# Altium PCB PCB1 - BU.PcbDoc (part 1 of 2) (continued)
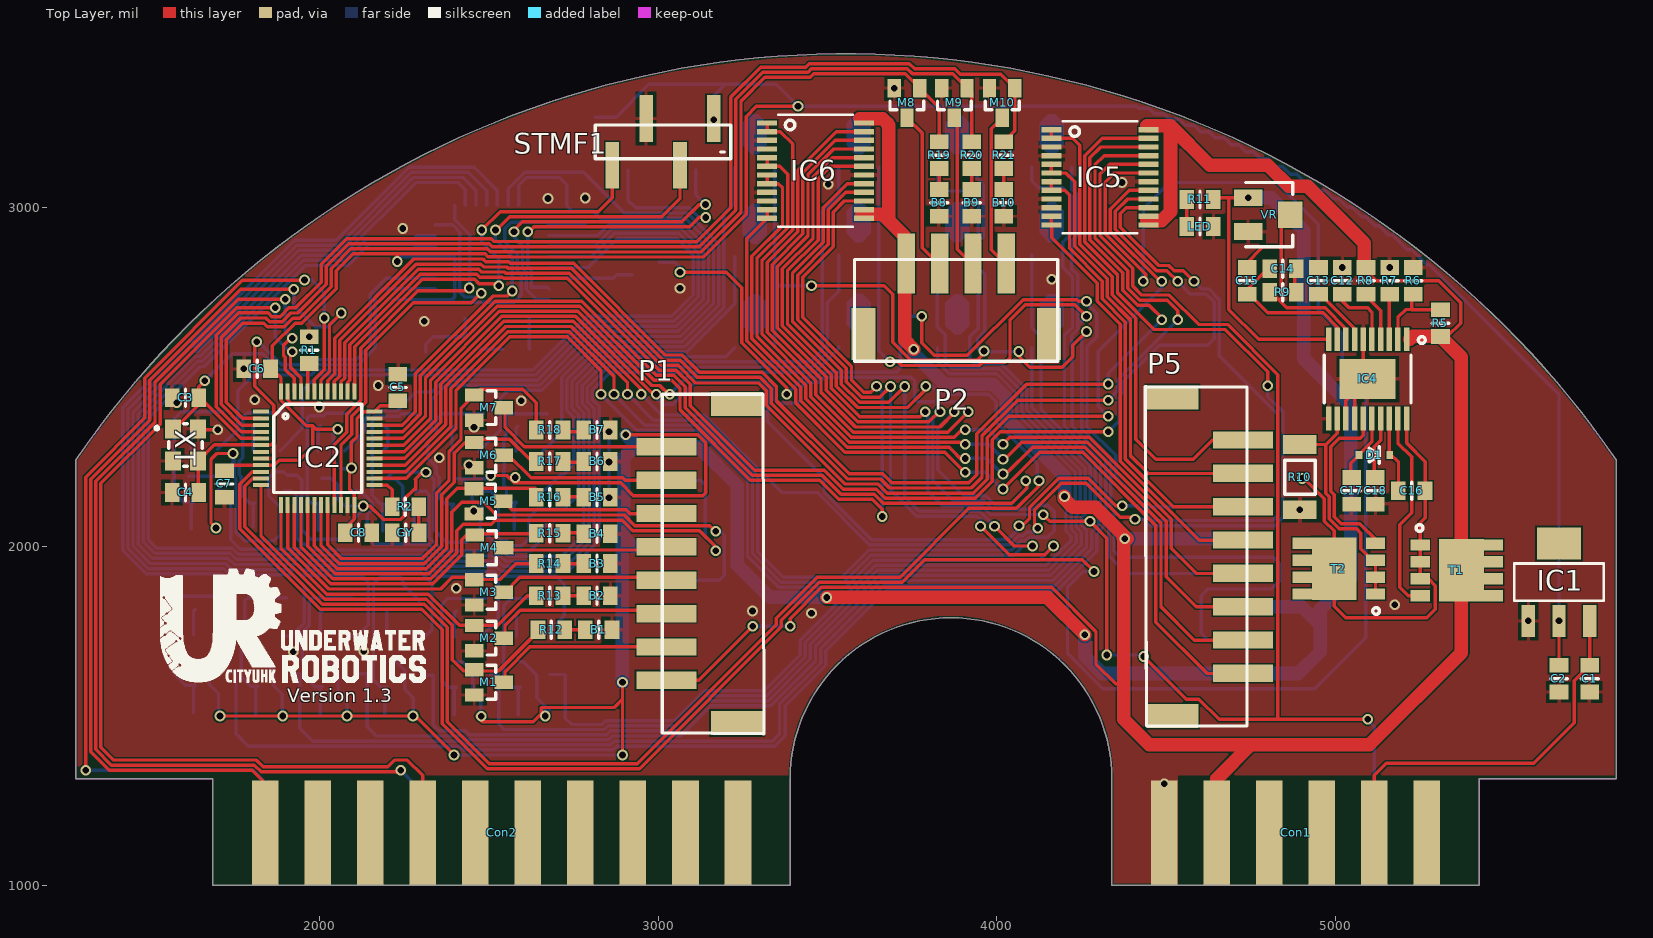
[diagram p0: Top Layer view]
## Footprints (in the part's own frame and the unit in brackets; to place one, negate y for a bottom-side part, rotate by r counter-clockwise, add the part's x,y. Pads: shape width x height; smd on the part's side, far side on the other; paste and mask are expansions set on the pad) (continued)
SOT89-150P410X160-3L [mm] "SOT89, 3-Leads, Body 4.50x2.45mm, Pitch 1.50mm, Lead Span 4.1mm, IPC High Density"
  rect 1.2x0.5 smd: 1(-1.7,1.5) 3(-1.7,-1.5)
  rect 1.6x0.5 smd: 2(-1.5,0)
  Top Layer region: -0.7,0.25 -0.05,0.9 1.65,0.9 2.3,0.25 2.3,-0.25 1.65,-0.9 -0.05,-0.9 -0.7,-0.25
  silkscreen extent -1.95,-2.3 1.42,2.43, body extent -1.18,-2.3 1.42,2.3, height 1.6
SOT-223 [mm]
  rect 2.4x1 smd: 1(-2.9,2.3) 2(-2.9,0) 3(-2.9,-2.3)
  rect 2.4x3.3 smd: 4(2.9,0)
  silkscreen extent -1.4,-3.35 1.4,3.35, body extent -3.81,-3.25 3.19,3.25, height 1.59
SSOP24 [mm]
  rect 1.5x0.4 smd: 1(-3.625,3.575) 2(-3.625,2.925) 3(-3.625,2.275) 4(-3.625,1.625) 5(-3.625,0.975) 6(-3.625,0.325) 7(-3.625,-0.325) 8(-3.625,-0.975) 9(-3.625,-1.625) 10(-3.625,-2.275) 11(-3.625,-2.925) 12(-3.625,-3.575) 13(3.625,-3.575) 14(3.625,-2.925) 15(3.625,-2.275) 16(3.625,-1.625) 17(3.625,-0.975) 18(3.625,-0.325) 19(3.625,0.325) 20(3.625,0.975) 21(3.625,1.625) 22(3.625,2.275) 23(3.625,2.925) 24(3.625,3.575)
  silkscreen extent -2.8,-4.2 2.8,4.2, body extent -3.95,-4.31 3.95,4.31, height 1.91
TPH2R608NH [mm]
  rect 0.85x1.45 smd: 1(-1.905,2.75) 1(-0.635,2.75) 1(0.635,2.75) 1(1.905,2.75) 2(1.905,-2.75) 3(-1.905,-2.75) 3(-0.635,-2.75) 3(0.635,-2.75)
  rect 4.7x3.35 smd: 1(0,0.35)
  silkscreen extent -3.43,-3.05 -2.92,-2.54, body extent -2.45,-3 2.45,3, height 1
XH2.54-4pin_SMD [mm]
  rect 1.3x4.5 smd: 1(-3.73,2.25) 2(-1.23,2.25) 3(1.27,2.25) 4(3.77,2.25)
  rect 1.8x3.9 smd: 7(-6.93,-3.05) 7(6.97,-3.05)
  silkscreen extent -7.62,-5.08 7.62,2.54
XH2.54-8pin_SMD [mm]
  rect 1.8x3.9 smd: 0(-11.95,-3.05) 0(11.95,-3.05)
  rect 1.3x4.5 smd: 1(-8.75,2.25) 2(-6.25,2.25) 3(-3.75,2.25) 4(-1.25,2.25) 5(1.25,2.25) 6(3.75,2.25) 7(6.25,2.25) 8(8.75,2.25)
  silkscreen extent -12.75,-5.08 12.7,2.54

## Part data
C1 C2 C9 C10 C11 C12 C13 C14 C15 C16 C17 C18: library part Cap
C3 C4 C5 C6 C7 C8: library part Capacitor
C19: library part Cap-pol
D1: library part Diode
IC3: "ARM Cortex-M0 32-bit MCU, 32 KB Flash, 4 KB Internal RAM, 26 I/Os, 32-pin LQFP, -40 to 85 degC, Tray", I/Os (High Current)=26, Operating Frequency(F) (Processor speed) (MHz)=48, Supplier Part Number 1=497-14046-ND, Supply Voltage(Vcc) min (V)=2.4, ComponentLink1Description="Manufacturer URL", ComponentLink1URL=http://www.st.com/web/en/home.html, ComponentLink2Description=Datasheet, ComponentLink2URL=http://www.st.com/st-web-ui/static/active/en/resource/technical/document/datasheet/DM00088500.pdf, ComponentLink3Description="Package Specification", ComponentLink3URL=http://www.st.com/st-web-ui/static/active/en/resource/technical/document/datasheet/DM00088500.pdf, Core="ARM Cortex-M0", DatasheetVersion="Rev. 1", FLASH Size (Prog) (kB)=32, Internal RAM Size (kB)=4, Mounting Technology="Surface Mount", PackageDescription="32-Pin Low Profile Quad Flat Package, 7 x 7 mm Body, 0.8 mm Pitch", PackageReference=LQFP32, PackageVersion="Rev. 1, 07/2013", Packing=Tray, PartNumber=STM32F030K6T6, Supplier 1=Digi-Key, Supplier 2=Newark, Supplier 3=Mouser, Supplier Part Number 2=19X6194, Supplier Part Number 3=511-STM32F030K6T6
IC4: "Buck Controller"
LR1 LR2 LR3 LR4 LR5 LR6 LR7 LR8 LR9 LR10 LR11 LR12 R1 R2 R3 R4 R5 R6 R7 R8 R9 R10 R11 R12 R13 R14 R15 R16 R17 R18 R19 R20 R21 R22 R23 R24 R25 R26 R27 R28 R29 R30 R31 R32 R33: library part Resistor
ML1 ML2 ML3 ML4 ML5 ML6 ML7 ML8 ML9 ML10 ML11 ML12: "NPN"
T1 T2: library part MOSFET-N
VR: library part Potentiometer
XT: library part "Passive Crystal"

## Via types
v1: diameter 31.5, hole 19.68, Top Layer to Bottom Layer, tented both sides, 150 vias

## Nets (pads, with @x,y where several pads share a name; then routed paths per layer and width w, separated by ;. In a path a pad name is that pad's centre, name@x,y a point inside that pad or via, vN(x,y) a via of type N, cw(c..) or ccw(c..) an arc to the next point about the centre after c; other vN are vias at no path point)
1: C19.1 IC4.10 L1.2 LR1.2 LR2.2 LR3.2 LR4.2 LR5.2 LR6.2 LR7.2 LR8.2 LR9.2 LR10.2 LR11.2 LR12.2 ML13.2 ML14.2 ML15.2 ML16.2 ML17.2 ML18.2 ML19.2 ML20.2 ML21.2 ML22.2 ML23.2 ML24.2 P6.1 P6.3 P7.1 P7.4 R11.2 VR.1 | length 13445.3
  Top Layer w10: v1(1695,2055) 1680.04,2069.96 1680.04,2257.26 1697.78,2275 v1(1745,2275) ; v1(1706.6,1500) v1(1891.6,1500) v1(2081.6,1500) v1(2276.6,1500) ; v1(2130,2120) 2149.28,2120 2189.05,2080.24 2240.64,2080.24 2250,2089.6 2250,2140 2280,2170 2285,2170 2285,2196.37 2284.34,2197.03 2285,2197.69 2283.39,2199.3 2309.09,2225 2314.09,2220 v1(2315,2220) ; v1@2279.67,1503.07 v1(2397.74,1385) ; v1@2465,1500 2481.66,1483.34 2632.13,1483.34 2655,1506.21 2655,1525 2870,1525 2895,1550 ; v1(2506.18,2210) 2553.14,2210 2575,2188.14 2889.58,2188.14 2926.98,2150.74 3132.16,2150.74 3141.09,2159.68 3141.09,2306.13 3117.14,2330.08 2905.08,2330.08 v1(2905,2330) ; v1(2895,1385) 2895,1550 ; v1(2895,1600) 2895,1550 ; R11.2@4639.37,3025 4644.37,3030 4685,3030 ; v1(4742.65,3030) 4685,3030 ; IC4.10@4979.84,2611.93 4773.07,2611.93 4685,2700 4685,3030
  Top Layer w40: v1(3498.6,1850) 4150,1850 v1(4260,1740)
  Bottom Layer w10: ML19.2@1614.9,2207.4 1704.31,2207.4 1745,2248.1 v1(1745,2275) 1749.8,2275 1748.53,2273.73 1748.53,2205.58 1754.07,2200.04 1754.07,2042.58 1779.9,2016.75 1866,2016.75 1884.04,2034.79 LR8.2@1884.04,2056.37 1884.04,2116.1 1850.31,2149.83 1850.31,2203.13 ; ML22.2@1629.45,1666.07 1654.38,1666.07 1675,1645.45 1675,1593.81 1702.28,1566.53 LR10.2@1702.28,1509.53 ; ML20.2@1809.19,2203.13 1850.31,2203.13 ; ML23.2@1817.8,1662.61 1834.52,1662.61 1865.26,1631.87 1865.26,1589.74 1890.64,1564.36 LR11.2@1890.64,1506.06 ; ML21.2@2006.69,2202.4 2034.36,2202.4 2053.26,2183.5 2053.26,2141.04 2074.3,2120 v1(2130,2120) 2130,2109.92 LR9.2@2079.91,2059.83 2079.91,2035.81 2066.38,2022.27 1975.38,2022.27 1948.36,2049.29 1948.36,2195.77 1933.36,2210.76 1905.75,2210.76 1895,2221.51 1868.69,2221.51 1850.31,2203.13 ; ML24.2@2008.83,1661.55 2025.35,1661.55 2055.02,1631.88 2055.02,1577.49 2081.67,1550.83 LR12.2@2081.67,1505 ; ML16.2@2208.29,1660.05 2227.11,1660.05 2251.78,1635.38 2251.78,1579.68 2277.16,1554.31 LR4.2@2277.16,1503.5 ; LR1.2@2279.96,2055.45 2279.96,2100.31 2246.78,2133.48 2246.78,2177.69 2223.91,2200.57 ML13.2@2197.73,2200.57 2217.16,2220 v1(2315,2220) ; v1@2323.51,2214.25 2338.61,2199.15 2338.61,2049.71 2375.23,2013.09 2433.5,2013.09 LR2.2@2474.67,2054.26 ; v1(2397.74,1385) v1(2895,1385) ; ML14.2@2401.69,2200.57 ML14.2@2419.25,2200.57 ; ML17.2@2404.34,1660.05 2421.56,1660.05 2453.39,1628.22 2453.39,1575.13 2477.17,1551.35 LR5.2@2477.17,1503.51 ; v1(2506.18,2210) 2496.75,2200.57 ML14.2@2419.25,2200.57 ; ML18.2@2593.13,1660.05 2602.72,1660.05 2642.19,1620.58 2642.19,1554.31 2665.97,1530.53 LR6.2@2665.97,1503.5 LR6.2@2679.75,1517.28 ; LR3.2@2654.96,2055 LR3.2@2654.96,2051.64 ; LR3.2@2668.15,2064.83 LR3.2@2654.96,2051.64 ; ML14.2@2419.25,2200.57 2450.75,2169.07 2450.75,2139.34 2459.34,2130.75 2466.41,2130.75 2481.5,2115.67 2481.5,2094.33 2474.67,2087.51 LR2.2@2474.67,2054.26 ; LR2.2@2474.67,2054.26 2526.49,2002.44 2546.92,2002.44 2562.28,1987.09 2622.05,1987.09 2654.96,2020 LR3.2@2654.96,2051.64
  Bottom Layer w40: v1(2895,1600) 2895,2032.16 2899.36,2027.8 ; v1(2905,2330) 2930.31,2304.69 ; P7.4@3024.42,1999.21 2927.95,1999.21 2899.36,2027.8 ; v1(3498.6,1850) 3329.9,1850 3234.04,1945.87 3234.04,2181.45 3120.99,2294.49 P7.1@3024.42,2294.49 2940.51,2294.49 2930.31,2304.69 ; v1(4260,1740) 4260,1676.06 4310.55,1625.51 4890.51,1625.51 4955,1690 C19.1@4955,1767.87 ; P6.3@4728.58,1822.36 4900.51,1822.36 C19.1@4955,1767.87 ; v1(4742.65,3030) 4810,3030 4906.03,2933.97 4906.03,2555.24 5045,2416.26 5045,1905 4955,1815 C19.1@4955,1767.87 ; 2899.36,2027.8 2899.36,2263.54 2930.31,2294.49 2930.31,2304.69
  other v1: 2477.62,1498.91 2666.6,1500 2578.04,2204.37
2: CC1.1 CC2.1 CC3.1 CC4.1 CC5.1 CC6.1 P6.2 | length 4065.6
  Top Layer w10: v1(3452.9,2769.96) 3667.31,2769.96 3692.56,2744.71 3692.56,2603.13 3745.85,2549.84 3942.2,2549.84 3962.28,2569.93 v1(3962.28,2577.46) ; v1(4065,2575.94) 4065,2562.47 4097.99,2529.49 4193.24,2529.49 4224.38,2560.62 4224.38,2594.38 v1(4265,2635)
  Bottom Layer w10: CC1.1@3344.94,2587.83 3344.94,2765 ; CC3.1@3344.94,3119.8 3344.94,2765 ; v1(3452.9,2769.96) 3349.9,2769.96 3344.94,2765 ; CC4.1@3943.11,3119.8 3942.16,3118.86 3942.16,3087.84 3960,3070 3960,2915.36 3942.16,2897.53 CC5.1@3942.16,2860.04 3942.16,2827.09 3965,2804.25 3965,2635.53 3943.11,2613.64 CC6.1@3943.11,2587.83 3955,2575.94 v1(4065,2575.94) ; v1(4265,2635) 4265,2628.1 4251.36,2614.46 4251.36,2347.99 4336.33,2263.02 4336.33,2114.14 4346.17,2104.3 4346.17,1988.2 4365.16,1969.21 4815.79,1969.21 4835,1950 4835,1898.89 4811.11,1875 4623.37,1875 4603.47,1855.1 4603.47,1744.78 4624.31,1723.94 P6.2@4728.58,1723.94
3.3V: C2.2 C5.2 C6.1 C7.2 C8.2 C9.2 C10.2 C11.2 IC1.2 IC2.9 IC2.24 IC2.36 IC2.48 IC3.1 IC3.5 IC3.17 STMF0.1 STMF1.1 | length 8753.9
  Top Layer w10: C7.2@1720,2224.37 C7.2@1720,2225 ; C7.2@1745,2239.37 1746.42,2240.79 IC2.9@1827.68,2240.79 1867.32,2240.79 1881.54,2255 1941.37,2255 1980.47,2294.1 1980.47,2356.82 ; v1(2054.42,2347.04) 1991.42,2347.04 1990.83,2346.46 1980.47,2356.82 ; C8.2@2070.63,2047.62 2103.27,2080.25 IC2.24@2103.27,2122.68 2103.27,2155.32 2089.25,2169.33 2089.25,2226.25 v1(2095,2232) 2094.65,2232.35 2094.65,2308.44 2111.32,2325.11 2111.32,2378.49 2131.1,2398.27 IC2.36@2162.32,2398.27 2179.68,2415.63 C5.2@2230,2415.63 ; v1(2230,2841.92) 2230,2864.25 ; v1(3413.48,3300) 3290.32,3300 3260,3269.68 3260,2981.36 3133.64,2855 2566.36,2855 2565.62,2855.75 2497.94,2855.75 2489.44,2864.25 2230,2864.25 ; C2.2@5660,1649.37 v1(5660,1780.83) ; 1980.47,2356.82 1961.72,2356.82 1886.73,2431.81 IC2.48@1886.73,2457.32 1886.73,2499.41 1861.14,2520.73 1861.14,2592.55 1928.38,2659.8 1948.38,2659.8 2050.27,2761.69 2050.27,2814.87 2099.66,2864.25 2230,2864.25
  Bottom Layer w10: v1(2054.42,2347.04) 2054.42,2345.87 2041.48,2332.94 2041.48,2252.83 2064.32,2230 v1@2095,2230 ; C11.2@2219.45,2729.76 IC3.1@2342.68,2729.76 2392.74,2729.76 ; C9.2@2241.33,2855.75 C9.2@2246.35,2855.75 ; C9.2@2251.23,2855.75 IC3.5@2342.68,2855.75 2400,2855.75 2400,2737.02 2392.74,2729.76 ; C10.2@2785,2950.63 2677.72,2950.63 IC3.17@2677.32,2950.24 2677.32,2957 2639.52,2957 2636.89,2959.63 2635.21,2957.95 2566.54,2957.95 2547.94,2939.35 2547.94,2900.31 2584.74,2863.5 2584.74,2815.31 2595.75,2804.31 2595.75,2742.26 2575.54,2722.05 2400.46,2722.05 2392.74,2729.76 ; STMF0.1@2814.59,3267.99 2876.09,3267.99 2973.1,3365 3198.47,3365 ; v1(3165,3260) 3165,3331.53 3198.47,3365 ; v1(3413.48,3300) 4413.46,3299.97 4419.35,3294.08 4448.52,3294.08 4464.51,3278.09 4493.68,3278.09 4509.67,3262.1 4538.84,3262.1 4557.18,3243.76 4583.11,3243.76 4601.44,3225.43 4627.37,3225.43 4645.7,3207.09 4671.63,3207.09 4692.26,3186.47 4714.88,3186.47 4735.5,3165.84 4758.12,3165.84 4778.74,3145.22 4801.36,3145.22 4824.22,3122.36 4843.47,3122.36 4866.33,3099.49 4885.57,3099.49 4908.43,3076.63 4927.67,3076.63 4952.71,3051.6 4968.52,3051.6 4993.56,3026.57 5009.37,3026.57 5034.41,3001.54 5050.22,3001.54 5077.36,2974.4 5089.71,2974.4 5116.84,2947.26 5129.19,2947.26 5156.33,2920.13 5168.67,2920.13 5212.42,2876.38 5225.69,2876.38 5269.44,2832.63 5276.67,2832.63 5660,2449.3 v1(5660,1780.83) ; v1(3413.48,3300) 3348.48,3365 3198.47,3365
4: CC7.1 CC8.1 CC9.1 CC10.1 CC11.1 CC12.1 P6.4 | length 3004.7
  Top Layer w10: v1(3685,2545.59) 3685,2545 3687.88,2547.88 3706.33,2547.88 3719.37,2534.84 3948.41,2534.84 3958.06,2544.49 4025.8,2544.49 4039.25,2557.94 4039.25,2669.63 4084.11,2714.49 4230.51,2714.49 v1(4265,2680)
  Bottom Layer w10: CC9.1@3651.69,3119.8 CC8.1@3651.69,2860.04 CC7.1@3651.69,2589.8 3651.69,2578.9 v1(3685,2545.59) ; CC10.1@4221.69,3119.8 4221.69,3055 4237.43,3039.27 4237.43,2919.76 4221.69,2904.02 CC11.1@4221.69,2860.04 4221.69,2819.52 4238.85,2802.37 4238.85,2653.85 ; v1(4265,2680) 4239.25,2654.25 4239.25,2642.21 4221.69,2624.65 CC12.1@4221.69,2587.83 4223,2586.53 4223,2355.14 4321.33,2256.81 4321.33,2107.93 4331.17,2098.09 4331.17,1973.05 4383.44,1920.79 P6.4@4728.58,1920.79
5: Con1.5 IC4.1 IC5.13 IC5.14 IC5.24 IC6.13 IC6.14 IC6.24 P1.1 P2.1 P6.5 R5.2 R8.2 T1.1 | length 8576.4
  Top Layer w10: P1.1@3001.42,1605.51 3120.51,1605.51 v1(3280,1765) ; v1(3390,1765) 3390,1787.57 3482.43,1880 4162.43,1880 4293.01,1749.42 4293.01,1653.42 4351.43,1595 4375,1595 ; R8.2@5085,2834.37 5085,2820 5120,2785 5305,2785 5370,2720 5370,2660 5330.63,2620.63 R5.2@5310,2620.63 ; IC4.1@5210.16,2611.93 5220,2611.93
  Top Layer w40: 3595,3263.13 3663.19,3263.13 3681.69,3244.63 3681.69,2962.16 ; 3602.16,2981.97 3661.88,2981.97 3681.69,2962.16 ; v1(3755,2583.12) 3728.15,2609.97 3728.15,2915.7 3681.69,2962.16 ; v1(4199.93,2148.12) 4199.93,2141.86 4223.94,2115.75 4292.3,2115.75 4375,2033.05 v1@4375,2022.94 ; v1@4373.18,2022.94 v1@4375,2022.94 ; v1@4375,2033.44 4385.5,2022.94 v1(4378,2022.94) v1@4375,2022.94 ; 4443.13,2962.16 4486.65,2962.16 4512.99,2988.5 4512.99,3242.11 4629,3126.1 4800.29,3126.1 4862.76,3063.64 4917.66,3063.64 5085.12,2896.18 5085.12,2829.25 R8.2@5090,2824.37 ; 4443.13,3242.11 4510,3242.11 ; Con1.5@4650.01,1155.48 4650.01,1315.01 4750,1415 ; 5220,2611.93 5228.7,2620.63 R5.2@5310,2620.63 5372.05,2558.58 T1.1@5372.05,1930 5372.05,1687.05 5100,1415 4750,1415 ; v1@4375,2022.94 4375,1595 4375,1490 4450,1415 4750,1415
  Bottom Layer w10: v1(3280,1765) v1(3390,1765)
  Bottom Layer w40: v1(3755,2583.12) 3755,2570.25 3845.25,2480 3988.2,2480 4028.58,2439.62 4028.58,2379.85 4201.32,2207.11 4201.32,2147.58 v1@4199.84,2146.1 ; v1(4378,2022.94) 4724.86,2022.94 P6.5@4728.58,2019.21
5V: C1.2 Con1.2 IC1.3 IC5.20 IC6.20 | length 6798.6
  Top Layer w10: IC6.20@3607.72,3148.39 3514.12,3148.39 3457.66,3091.93 3457.66,2910.92 3367.15,2820.41 3367.15,2651.84 3511.13,2507.86 3511.13,2467.59 3595.42,2383.3 3773.77,2383.3 v1(3788.75,2398.27) ; v1(4137.41,2093.98) 4156.38,2075 v1(4275.43,2075) 4325,2025.43 v1(4325,1680) ; v1(4434.49,1675.51) 4560,1550 4596.78,1550 4656.66,1490.12 4829.88,1490.12 ; IC5.20@4447.72,3128.77 4333.05,3128.77 4305,3100.72 4305,2918.02 4401.58,2821.44 4401.58,2769.49 4428.27,2742.8 4509.52,2742.8 4596.36,2655.96 4681.48,2655.96 4830,2507.44 4830,1490.12 ; v1(5095.12,1490.12) 4830,1490.12 ; Con1.2@5114.88,1155 5114.88,1324.88 5150,1360 5585,1360 5705,1480 5705,1603.82 C1.2@5750.55,1649.37 IC1.3@5750.55,1780.83 ; 4829.88,1490.12 4830,1490.12 ; 4829.88,1490.12 4830,1490 4830,1490.12
  Bottom Layer w10: v1(3788.75,2398.27) 3796.25,2390.76 3796.25,2164.23 3840.49,2120 3955.29,2120 3980.29,2095 4136.38,2095 v1(4137.41,2093.98) ; v1(4325,1680) 4430,1680 v1(4434.49,1675.51) ; v1(5095.12,1490.12) 5114.88,1470.35 Con1.2@5114.88,1155
6: P6.6 T3.3 | length 2873.9
  Top Layer w10: v1(3065,2810) 3201.5,2810 3247.15,2764.35 3247.15,2602.13 3380,2469.28 v1(3380,2450) ; v1(3778.55,2680) 3778.55,2602 3815.7,2564.84 3913.25,2564.84 4077.89,2729.49 4236.73,2729.49 4241.57,2724.64 v1(4265,2724.64)
  Bottom Layer w10: T3.3@3003.31,2840 3050,2840 3050,2839.25 3065,2824.25 v1(3065,2810) ; v1(3380,2450) 3379.63,2450 3430,2500.37 3469.21,2500.37 3483.84,2515 3704.96,2515 3715,2525.04 3715,2667.68 3727.32,2680 v1(3778.55,2680) ; v1(4265,2724.64) 4265,2720 4295.25,2689.75 4295.25,2618.92 4266.36,2590.03 4266.36,2560.74 4266.36,2354.21 4351.33,2269.23 4351.33,2205.59 4369.31,2187.61 4439.29,2117.64 P6.6@4728.58,2117.64
GND: B1.2 B2.2 B3.2 B4.2 B5.2 B6.2 B7.2 B8.2 B9.2 B10.2 C1.1 C2.1 C3.2 C4.2 C5.1 C6.2 C7.1 C8.1 C9.1 C10.1 C11.1 C12.1 C13.1 C17.1 C18.1 C19.2 CC1.2 CC2.2 CC3.2 CC4.2 CC5.2 CC6.2 CC7.2 CC8.2 CC10.2 CC11.2 CC12.2 Con1.6 GY1.2 GY.2 IC1.1 IC2.8 IC2.23 IC2.35 IC2.47 IC3.16 IC3.32 IC4.6 IC4.11 IC4.13 IC4.14 IC4.21 IC5.3 IC5.4 IC5.9 IC5.10 IC5.18 IC6.3 IC6.4 IC6.9 IC6.10 IC6.18 LED.2 M1.2 M2.2 M3.2 M4.2 M5.2 M6.2 M7.2 M8.2 M9.2 M10.2 ML1.2 ML2.2 ML3.2 ML4.2 ML5.2 ML6.2 ML7.2 ML8.2 ML9.2 ML10.2 ML11.2 ML12.2 P7.3 P7.6 R1.2 R4.2 R6.1 R7.1 R10.1 STMF0.3 STMF1.3 T3.2 VR.3 XT.2 | length 682.2
  Top Layer w10: XT.2@1642.4,2347.24 1644.65,2345 v1(1700,2345) ; IC2.47@1906.42,2457.32 1906.42,2433.34 1916.05,2423.7 1996.3,2423.7 2000,2420 v1(2000,2412.32) ; IC4.13@5031.02,2378.07 5031.02,2431.03 IC4.21@5056.62,2456.62 ; IC4.14@5056.62,2378.07 IC4.21@5056.62,2456.62 ; IC4.21@5070,2470 IC4.21@5056.62,2456.62 ; IC4.6@5082.21,2611.93 5082.21,2507.79 IC4.21@5095,2495
  Bottom Layer w10: v1@2855.2,2155 v1(2855.2,2339.02)
  other v1: 4494.41,1300 1922.86,1689.5 2130.82,1690.76 5569.45,1780.83 3452.9,1803.73 3279.04,1810.16 5175,1828.79 2404.34,1877.4 2455.75,2105 4895,2108.54 2855.2,2144.8 2441.9,2241.15 2855.2,2250 2354.57,2262.93 2456.8,2352.05 1579.13,2425 2596.27,2430.67 1808.98,2433.34 2174.06,2475.69 1777.33,2525 1970,2619.37 2309.39,2665.37 3065,2762.75 4162.64,2789.5 5020,2824.37 5160,2824.37 2246.35,2939.37 2675,3027.91 2785,3029.37 3502.66,3070 4370,3075 3697.6,3353.31
I2C_C: Con2.14 IC2.45 | length 3031.4
  Top Layer w10: v1(1870,2705) 1755.81,2705 1529.84,2479.03 1529.84,2361.36 1355,2186.52 1355,1407.43 1392.43,1370 1814.59,1370 1834.59,1350 2201.88,1350 2221.88,1370 2260,1370 2305.35,1324.65 Con2.14@2305.35,1155 ; v1@1914.87,2570 1914.87,2530.13 1945.79,2499.21 IC2.45@1945.79,2457.32
  Bottom Layer w10: v1(1870,2705) 1870,2617.76 1912.76,2575 v1@1922.32,2575
  other v1: 1920,2575
I2C_D: Con2.13 IC2.46 | length 3092.9
  Top Layer w10: v1(1899.23,2730.55) 1899.03,2730.75 1760.35,2730.75 1514.84,2485.25 1514.84,2367.57 1340,2192.73 1340,1401.21 1386.21,1355 1808.38,1355 1828.38,1335 2235,1335 v1(2240,1340) ; v1@1914.87,2615 1894.25,2594.38 1894.25,2564.33 1899.87,2558.72 1899.87,2522.91 1926.1,2496.67 IC2.46@1926.1,2457.32
  Bottom Layer w10: v1(1899.23,2730.55) 1899.23,2635.77 v1@1914.87,2620.13 ; v1@1914.87,2615 v1@1914.87,2620.13 ; v1(1920,2615) v1@1914.87,2620.13 ; v1(2240,1340) 2305.35,1274.65 Con2.13@2305.35,1155
LED_A_1: ML1.1 R22.1 | length 84.2
  Bottom Layer w10: R22.1@2186.82,2281.05 2201.66,2295.9 2201.66,2346.46 ML1.1@2192.73,2355.39
LED_A_2: ML2.1 R23.2 | length 76.8
  Bottom Layer w10: R23.2@2391.83,2281.05 2391.83,2349.49 ML2.1@2397.74,2355.39
LED_A_3: ML3.1 R24.2 | length 76.8
  Bottom Layer w10: R24.2@2580.63,2281.05 2580.63,2349.49 ML3.1@2586.54,2355.39
LED_A_4: ML4.1 R25.1 | length 79.3
  Bottom Layer w10: ML4.1@2199.32,1809.63 2199.32,1750 R25.1@2213.26,1736.06
LED_A_5: ML5.1 R26.1 | length 78.6
  Bottom Layer w10: R26.1@2398.43,1733.5 2398.43,1803.73 ML5.1@2404.34,1809.63
LED_A_6: ML6.1 R27.1 | length 78.6
  Bottom Layer w10: R27.1@2582.23,1733.5 2582.23,1803.73 ML6.1@2588.13,1809.63
LED_AC_1: CC1.3 ML13.3 | length 1639.8
  Bottom Layer w10: ML13.3@2284.34,2163.17 2315.44,2163.17 2323.61,2155 2323.61,2028.1 2364.28,1987.44 2540.71,1987.44 2556.06,1972.09 2716.12,1972.09 2779.25,2035.22 2779.25,2069.3 2781.17,2071.22 2781.17,2395.2 2760.87,2415.49 2760.87,2481.07 2840.17,2560.37 3199.36,2560.37 CC1.3@3226.83,2587.83
LED_AC_2: CC2.3 ML14.3 | length 1565.8
  Bottom Layer w10: ML14.3@2488.31,2163.17 2505.81,2163.17 2528.98,2140 2528.98,2026.8 2538.33,2017.44 2553.13,2017.44 2568.49,2002.09 2597.35,2002.09 2619.09,2023.84 2619.09,2085.94 2643.15,2110 2721.79,2110 2766.17,2154.37 2766.17,2388.98 2745.87,2409.28 2745.87,2487.28 2833.95,2575.37 3084.4,2575.37 3226.83,2717.79 CC2.3@3226.83,2855.49
LED_AC_3: CC3.3 ML15.3 | length 1351.4
  Bottom Layer w10: ML15.3@2668.15,2168.17 2714.43,2214.45 2722.62,2214.45 2751.17,2242.99 2751.17,2382.77 2730.87,2403.07 2730.87,2493.49 2827.74,2590.37 3078.19,2590.37 3193.9,2706.08 3193.9,2982.07 3226.83,3015 CC3.3@3226.83,3119.8
LED_AC_4: CC4.3 ML16.3 | length 3799.7
  Bottom Layer w10: ML16.3@2305.94,1622.65 2305.94,1620 2336.6,1620 2336.6,1473.4 2354.12,1455.88 2431.67,1455.88 2442.55,1445 2847.84,1445 2858.72,1455.88 3059.66,1455.88 3148.79,1545 3326.64,1545 3450,1668.36 3450,1711.73 3653.27,1915 4159.3,1915 4250,2005.7 4250,2042.8 4234.68,2058.12 4234.68,2091.88 4261.33,2118.53 4261.33,2231.95 4088.58,2404.71 4088.58,2464.48 4013.06,2540 3935,2540 3920,2555 3920,2620 3945,2645 3945,2790 3918.54,2816.46 3918.54,2895.12 3945,2921.58 3945,3022.2 3917.2,3050 3855,3050 3825,3080 CC4.3@3825,3119.8
LED_AC_5: CC5.3 ML17.3 | length 3258.5
  Bottom Layer w10: ML17.3@2505.95,1622.65 2505.95,1620 2529.57,1620 2529.57,1476.45 2546.02,1460 2841.63,1460 2852.51,1470.88 3053.45,1470.88 3142.57,1560 3320.42,1560 3435,1674.58 3435,1717.94 3647.06,1930 4153.08,1930 4235,2011.92 4235,2036.59 4219.68,2051.91 4219.68,2098.09 4246.33,2124.75 4246.33,2225.74 4073.58,2398.49 4073.58,2458.26 4006.84,2525 3866.8,2525 3847.68,2544.13 3847.68,2625.12 3824.05,2648.74 CC5.3@3824.05,2860.04
LED_AC_6: CC6.3 ML18.3 | length 2763.4
  Bottom Layer w10: ML18.3@2679.75,1622.65 2723.95,1622.65 2726.6,1620 2726.6,1493.4 2745,1475 2835.42,1475 2846.29,1485.88 3047.24,1485.88 3136.36,1575 3314.21,1575 3420,1680.79 3420,1724.15 3640.85,1945 4146.87,1945 4220,2018.13 4220,2030.37 4204.68,2045.7 4204.68,2104.3 4231.33,2130.96 4231.33,2219.53 4058.58,2392.28 4058.58,2452.05 4000.63,2510 3860.59,2510 3825,2545.59 CC6.3@3825,2587.83
LED_B_1: ML7.1 R28.1 | length 76.8
  Bottom Layer w10: R28.1@1621.94,2287.08 1621.94,2355.51 ML7.1@1627.85,2361.42
LED_B_2: ML8.1 R29.1 | length 76.8
  Bottom Layer w10: R29.1@1805.3,2283.61 1805.3,2352.05 ML8.1@1811.2,2357.95
LED_B_3: ML9.1 R30.1 | length 76.8
  Bottom Layer w10: R30.1@1996.33,2282.55 1996.33,2350.98 ML9.1@2002.24,2356.89
LED_B_4: ML10.1 R31.1 | length 78.6
  Bottom Layer w10: R31.1@1628.54,1739.53 1628.54,1809.75 ML10.1@1634.45,1815.66
LED_B_5: ML11.1 R32.1 | length 78.6
  Bottom Layer w10: R32.1@1811.9,1736.06 1811.9,1806.29 ML11.1@1817.8,1812.19
LED_B_6: ML12.1 R33.1 | length 78.6
  Bottom Layer w10: R33.1@2002.93,1735 2002.93,1805.22 ML12.1@2008.83,1811.13
LED_BC_1: CC7.3 ML19.3 | length 2575.6
  Bottom Layer w10: ML19.3@1701.51,2170 1708.35,2163.17 1725.69,2163.17 1739.07,2149.79 1739.07,2020.29 1767.02,1992.35 1953.93,1992.35 1971.09,1975.18 2312.89,1975.18 2345.64,1942.44 2522.07,1942.44 2537.42,1927.09 2734.76,1927.09 2826.17,2018.49 2826.17,2027.42 2824.25,2029.33 2824.25,2050.67 2826.17,2052.58 2826.17,2413.83 2805.87,2434.13 2805.87,2462.43 2858.81,2515.37 3463,2515.37 3533.58,2585.95 CC7.3@3533.58,2589.8
LED_BC_2: CC8.3 ML20.3 | length 2620.9
  Bottom Layer w10: ML20.3@1895.8,2165.73 1917.63,2165.73 1933.36,2150 1933.36,2025 1951.01,2007.35 1960.14,2007.35 1977.31,1990.18 2319.1,1990.18 2351.85,1957.44 2528.28,1957.44 2543.64,1942.09 2728.55,1942.09 2809.42,2022.96 2809.25,2023.12 2809.25,2056.88 2811.17,2058.79 2811.17,2407.62 2790.87,2427.92 2790.87,2468.64 2852.59,2530.37 3456.78,2530.37 3500,2573.58 3500,2720 3533.58,2753.58 CC8.3@3533.58,2860.04
LED_BC_3: CC9.3 ML21.3 | length 2666.2
  Bottom Layer w10: ML21.3@2093.3,2165 2121.41,2165 2155.75,2130.67 2155.75,2109.33 2141.41,2095 2141.41,2026.08 2160.33,2007.16 2323.34,2007.16 2358.06,1972.44 2534.5,1972.44 2549.85,1957.09 2722.34,1957.09 2794.25,2029 2794.25,2063.09 2796.17,2065 2796.17,2401.41 2775.87,2421.71 2775.87,2474.85 2846.38,2545.37 3450.57,2545.37 3485,2579.8 3485,2990 3533.58,3038.58 CC9.3@3533.58,3119.8
LED_BC_4: CC10.3 ML22.3 | length 4396.5
  Bottom Layer w10: ML22.3@1736.06,1628.67 1736.06,1630 1754.07,1630 1754.07,1447.52 1790.72,1410.88 2413.03,1410.88 2423.91,1400 2866.48,1400 2877.36,1410.88 3344.23,1410.88 3375.1,1441.75 3375.1,1529.83 3495,1649.72 3495,1693.09 3671.91,1870 4177.94,1870 4295,1987.06 4295,2036.95 4316.17,2058.12 4316.17,2091.88 4306.33,2101.72 4306.33,2250.59 4200,2356.93 4200,2624.17 4223.85,2648.02 4223.85,2796.15 4195,2825 4195,2898.54 4222.43,2925.97 4222.43,3032.57 4195,3060 4123.58,3060 4103.58,3080 CC10.3@4103.58,3119.8
LED_BC_5: CC11.3 ML23.3 | length 3815.8
  Bottom Layer w10: ML23.3@1919.42,1625.21 1919.42,1625 1942.47,1625 1942.47,1464.37 1980.96,1425.88 2419.24,1425.88 2430.12,1415 2860.27,1415 2871.15,1425.88 3338.02,1425.88 3358.58,1446.43 3358.58,1534.51 3480,1655.94 3480,1699.3 3665.7,1885 4171.72,1885 4280,1993.28 4280,2043.16 4301.17,2064.33 4301.17,2085.67 4291.33,2095.51 4291.33,2244.38 4130.58,2405.14 4130.58,2619.42 4103.58,2646.42 CC11.3@4103.58,2860.04
LED_BC_6: CC12.3 ML24.3 | length 3266.4
  Bottom Layer w10: ML24.3@2110.45,1624.15 2110.45,1625 2141.6,1625 2141.6,1468.64 2169.36,1440.88 2425.46,1440.88 2436.33,1430 2854.06,1430 2864.93,1440.88 3065.88,1440.88 3155,1530 3332.85,1530 3465,1662.15 3465,1705.51 3659.49,1900 4165.51,1900 4265,1999.49 4265,2049.01 4249.68,2064.33 4249.68,2085.67 4276.33,2112.32 4276.33,2238.17 4103.58,2410.92 CC12.3@4103.58,2587.83
M1A: IC2.41 IC5.22 | length 4064.2
  Top Layer w10: IC2.41@2024.53,2457.32 2024.53,2489.38 2045,2509.85 2045,2615 2279.25,2849.25 2483.23,2849.25 2491.73,2840.75 2559.4,2840.75 2563.19,2836.96 2750.74,2836.96 3021.95,2565.75 3071.68,2565.75 3122.43,2515 3307.33,2515 3349.85,2472.47 3349.85,2430 3565.05,2214.8 3663,2214.8 3689.66,2188.14 3917.93,2188.14 3941.48,2211.69 3941.48,2333.64 4087.84,2480 v1(4329.21,2480) ; IC5.22@4447.72,3179.95 4307.01,3179.95 4275,3147.94 4275,2905.6 4371.58,2809.01 4371.58,2757.06 4415.84,2712.8 4449.59,2712.8 v1@4490,2672.38
  Bottom Layer w10: v1(4329.21,2480) 4329.21,2512.1 v1(4487.11,2670)